# KiCad board DCTransistor_Bidirectional.kicad_pcb
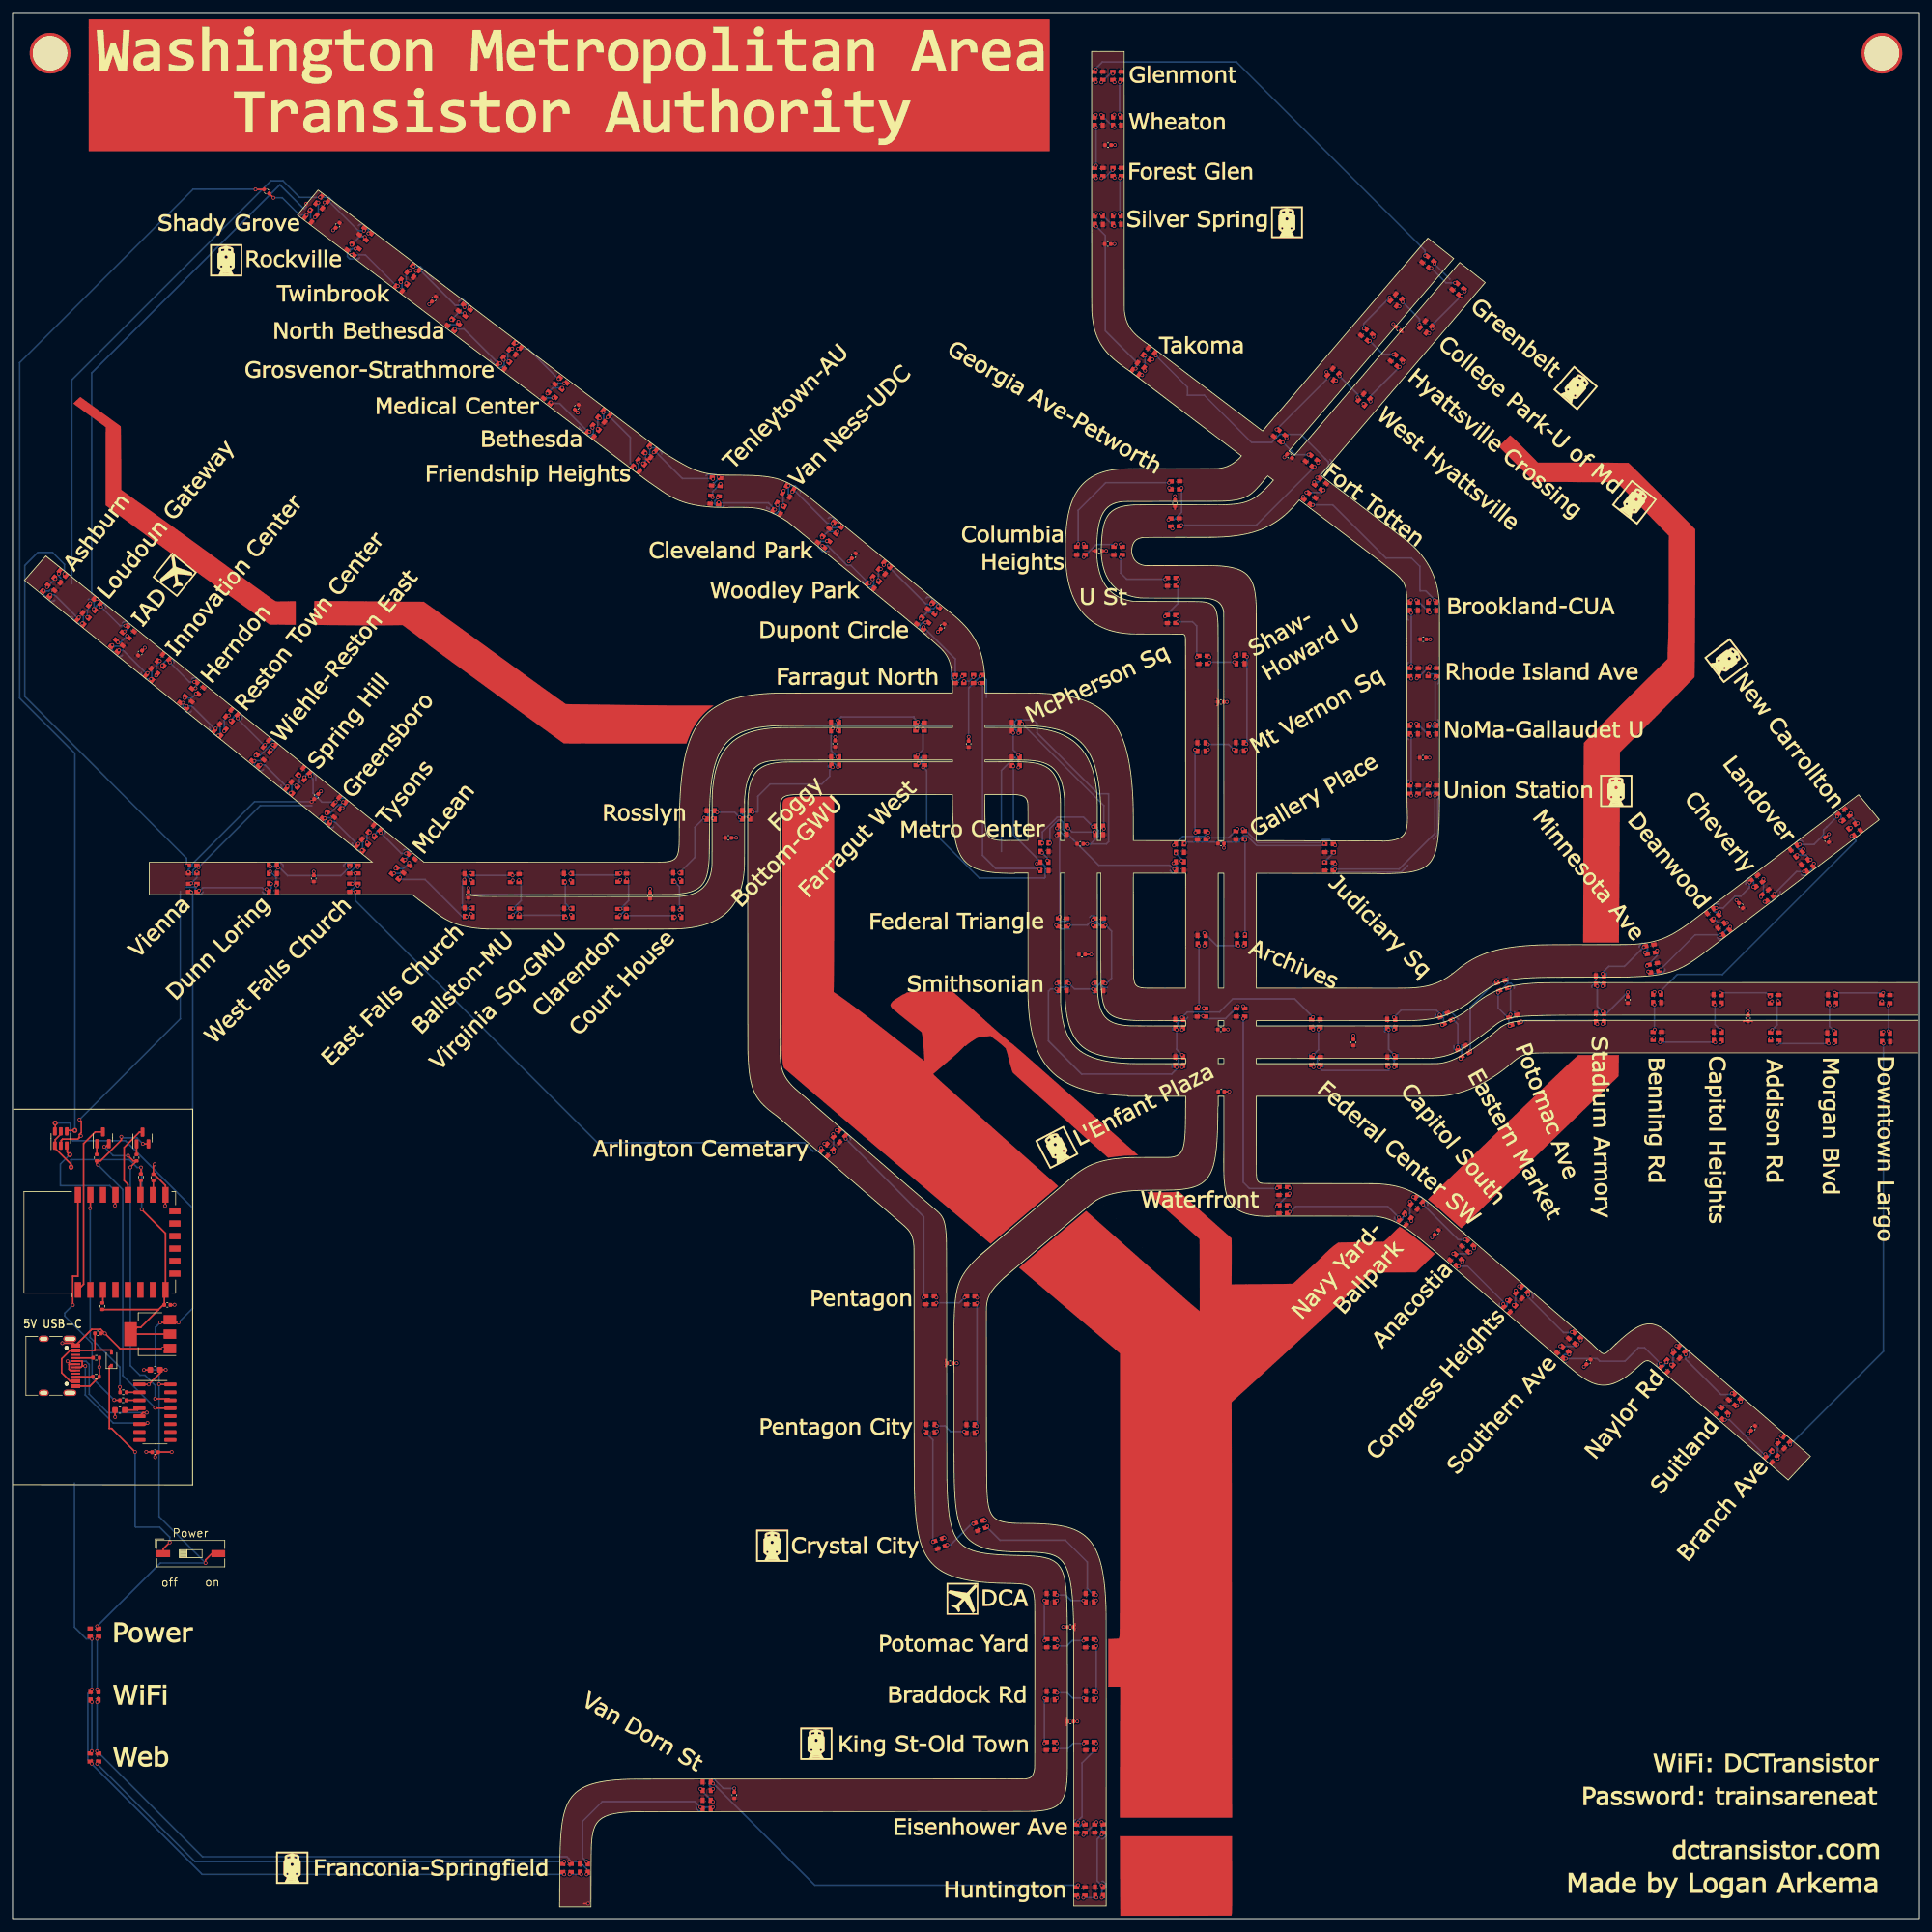
[diagram p0: board, top side]
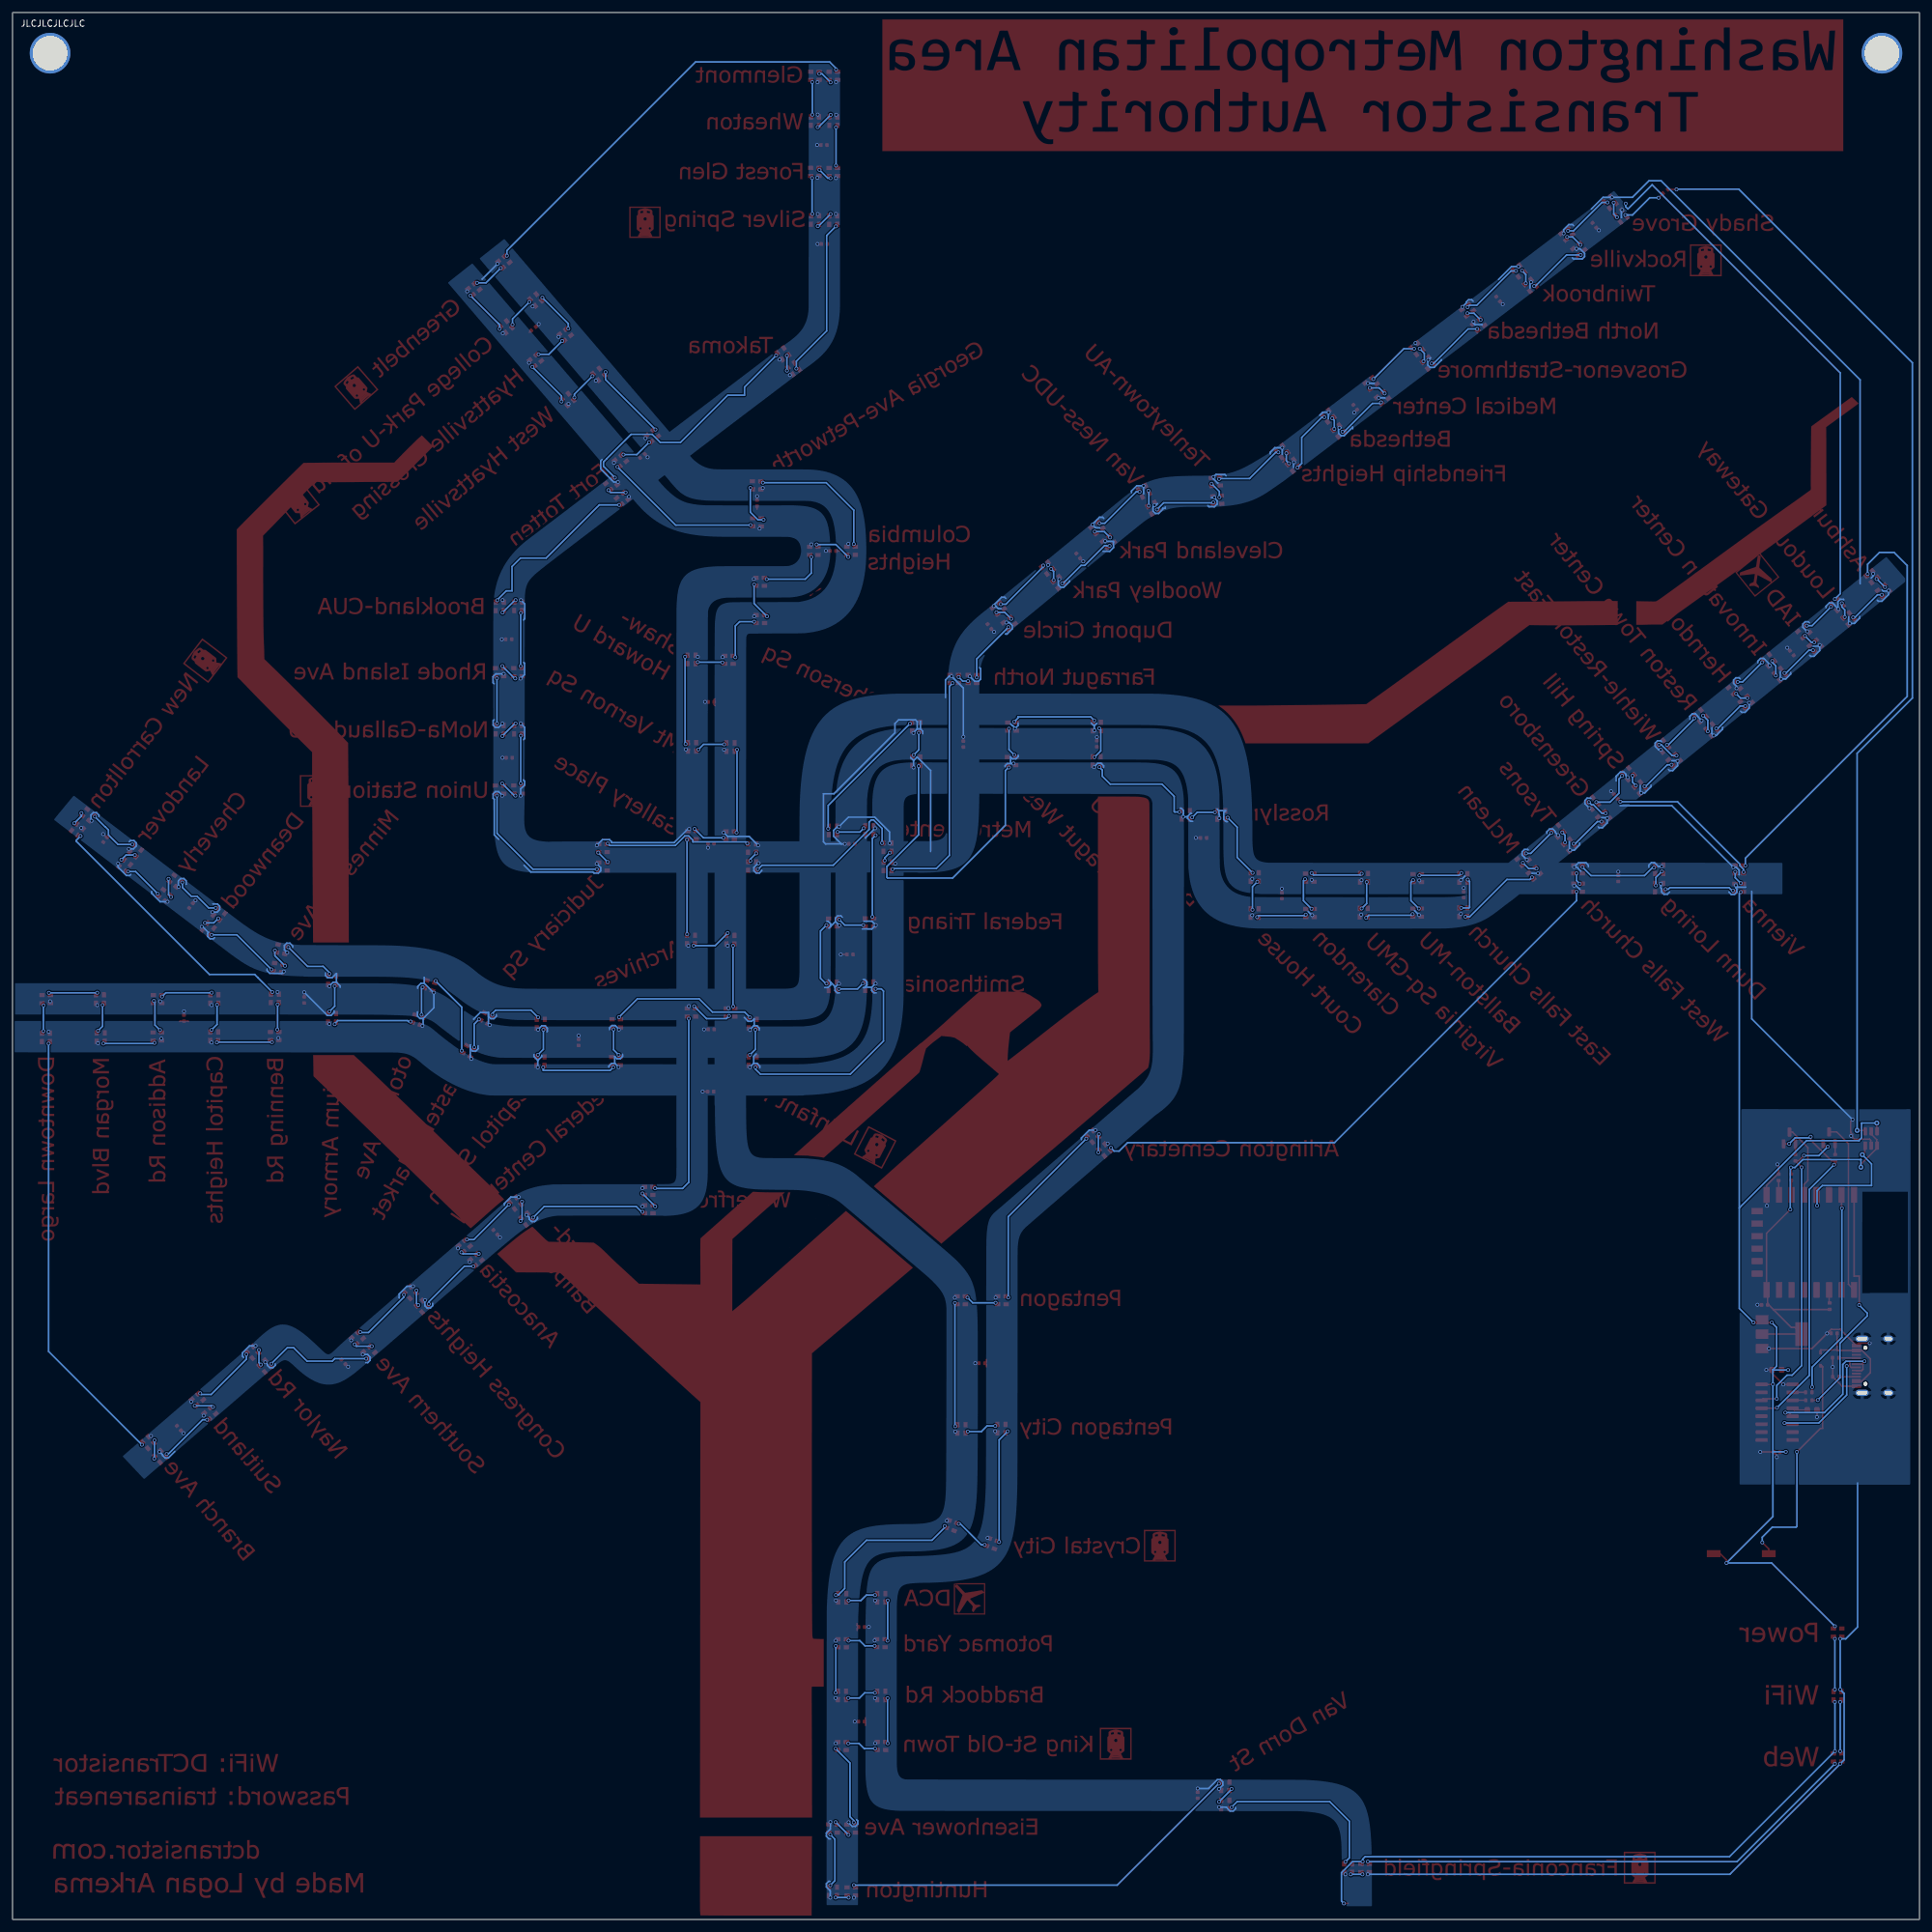
[diagram p1: board, bottom side, seen from below]

Outline 304.8 x 304.8 mm; copper layers: Top, Bottom. Coordinates in mm from the lower left corner of the outline.
Outline path: rectangle 0,304.8 304.8,0
Stack: Top 0.035mm / dielectric 1.51mm FR4 er 4.5 / Bottom 0.035mm

## Placement (name value [footprint] x y rotation side)
C0  100nf  [C_0603_1608Metric]  22.8 87.86 0 top
C1  10uF  [C_0402_1005Metric]  13.65 93.69 0 top
C2  100nf  [C_0603_1608Metric]  17.16 81.43 180 top
C3  10uF  [C_0402_1005Metric]  24.75 98.23 0 top
C4  10uF  [C_0402_1005Metric]  22.79 74.7 180 top
C5  10uF  [C_0402_1005Metric]  51.97 270.79 232 top
C6  10uF  [C_0402_1005Metric]  148.65 206.67 232 top
C7  10uF  [C_0402_1005Metric]  90.18 241.71 232 top
C8  10uF  [C_0402_1005Metric]  114.42 172.88 0 top
C9  10uF  [C_0402_1005Metric]  193.2 132.32 0 top
C10  10uF  [C_0402_1005Metric]  169.09 46.75 180 top
C11  10uF  [C_0402_1005Metric]  185.8 226.38 90 top
C12  10uF  [C_0402_1005Metric]  134.46 217.96 232 top
C13  10uF  [C_0402_1005Metric]  258.18 146.98 90 top
C14  10uF  [C_0402_1005Metric]  67.35 259 232 top
C15  10uF  [C_0402_1005Metric]  48.55 179.5 51 top
C16  10uF  [C_0402_1005Metric]  214.32 140.18 90 top
C17  10uF  [C_0402_1005Metric]  193.13 194.6 0 top
C18  10uF  [C_0402_1005Metric]  170.65 171.92 0 top
C19  10uF  [C_0402_1005Metric]  276.26 162.05 128 top
C20  10uF  [C_0402_1005Metric]  193.13 142.27 0 top
C21  10uF  [C_0402_1005Metric]  277.4 144.07 90 top
C22  10uF  [C_0402_1005Metric]  173.66 218.74 0 top
C23  10uF  [C_0402_1005Metric]  115.37 19.86 90 top
C24  10uF  [C_0402_1005Metric]  227.62 109.83 229 top
C25  10uF  [C_0402_1005Metric]  289.99 172.58 128 top
C26  10uF  [C_0402_1005Metric]  278.21 78.54 229 top
C27  10uF  [C_0402_1005Metric]  72.85 163.79 90 top
C28  10uF  [C_0402_1005Metric]  225.49 204.62 0 top
C29  10uF  [C_0402_1005Metric]  101.91 163.64 90 top
C30  10uF  [C_0402_1005Metric]  20.4 202.42 51 top
C31  10uF  [C_0402_1005Metric]  251.91 89.13 229 top
C32  10uF  [C_0402_1005Metric]  131.48 187.92 90 top
C33  10uF  [C_0402_1005Metric]  169.11 31.63 0 top
C34  10uF  [C_0402_1005Metric]  193.16 171.98 0 top
C35  10uF  [C_0402_1005Metric]  149.86 88.91 0 top
C36  10uF  [C_0402_1005Metric]  152.82 187.87 90 top
C37  10uF  [C_0402_1005Metric]  175.05 267.8 0 top
C38  10uF  [C_0402_1005Metric]  225.41 185.69 0 top
C39  10uF  [C_0402_1005Metric]  175.1 283.62 0 top
C40  10uF  [C_0402_1005Metric]  221.53 254.26 141 top
C41  10uF  [C_0402_1005Metric]  48.15 166.39 90 top
C42  10uF  [C_0402_1005Metric]  204.11 233.93 141 top
C43  10uF  [C_0402_1005Metric]  170.94 154.24 0 top
D0  SOD-323  [D_SOD-323]  15.82 89.56 90 top
D2  WS2812B  [LED_WS2812B_2.0x2.0mm-nosilk#2]  47.69 272.24 52 top
D3  WS2812B  [LED_WS2812B_2.0x2.0mm-nosilk#2]  49.44 274.43 52 top
D4  WS2812B  [LED_WS2812B_2.0x2.0mm-nosilk#2]  56.36 269.39 322 top
D5  WS2812B  [LED_WS2812B_2.0x2.0mm-nosilk#2]  54.43 266.95 322 top
D6  WS2812B  [LED_WS2812B_2.0x2.0mm-nosilk#2]  62.18 261.19 52 top
D7  WS2812B  [LED_WS2812B_2.0x2.0mm-nosilk#2]  64.01 263.46 52 top
D8  WS2812B  [LED_WS2812B_2.0x2.0mm-nosilk#2]  72.23 257.22 322 top
D9  WS2812B  [LED_WS2812B_2.0x2.0mm-nosilk#2]  70.45 254.89 322 top
D10  WS2812B  [LED_WS2812B_2.0x2.0mm-nosilk#2]  78.52 248.76 52 top
D11  WS2812B  [LED_WS2812B_2.0x2.0mm-nosilk#2]  80.3 251.06 52 top
D12  WS2812B  [LED_WS2812B_2.0x2.0mm-nosilk#2]  87.64 245.51 322 top
D13  WS2812B  [LED_WS2812B_2.0x2.0mm-nosilk#2]  85.82 243.22 322 top
D14  WS2812B  [LED_WS2812B_2.0x2.0mm-nosilk#2]  92.82 237.91 52 top
D15  WS2812B  [LED_WS2812B_2.0x2.0mm-nosilk#2]  94.51 240.29 52 top
D16  WS2812B  [LED_WS2812B_2.0x2.0mm-nosilk#2]  100.09 232.41 52 top
D17  WS2812B  [LED_WS2812B_2.0x2.0mm-nosilk#2]  101.89 234.65 52 top
D18  WS2812B  [LED_WS2812B_2.0x2.0mm-nosilk]  112.47 229.8 356 top
D19  WS2812B  [LED_WS2812B_2.0x2.0mm-nosilk]  112.23 226.88 356 top
D20  WS2812B  [LED_WS2812B_2.0x2.0mm-nosilk]  122.47 225.56 62 top
D21  WS2812B  [LED_WS2812B_2.0x2.0mm-nosilk]  123.96 228.27 62 top
D22  WS2812B  [LED_WS2812B_2.0x2.0mm-nosilk#2]  131.47 222.44 322 top
D23  WS2812B  [LED_WS2812B_2.0x2.0mm-nosilk#2]  129.64 220.19 322 top
D24  WS2812B  [LED_WS2812B_2.0x2.0mm-nosilk#2]  137.59 213.69 52 top
D25  WS2812B  [LED_WS2812B_2.0x2.0mm-nosilk#2]  139.37 215.99 52 top
D26  WS2812B  [LED_WS2812B_2.0x2.0mm-nosilk#2]  147.22 209.56 322 top
D27  WS2812B  [LED_WS2812B_2.0x2.0mm-nosilk#2]  145.48 207.19 322 top
D28  WS2812B  [LED_WS2812B_2.0x2.0mm-nosilk]  151.37 198.27 0 top
D29  WS2812B  [LED_WS2812B_2.0x2.0mm-nosilk]  154.28 198.28 0 top
D30  WS2812B  [LED_WS2812B_2.0x2.0mm-nosilk]  164.94 168.33 90 top
D31  WS2812B  [LED_WS2812B_2.0x2.0mm-nosilk]  164.95 171.39 90 top
D32  WS2812B  [LED_WS2812B_2.0x2.0mm-nosilk]  186.59 168.38 90 top
D33  WS2812B  [LED_WS2812B_2.0x2.0mm-nosilk]  186.59 171.25 90 top
D34  WS2812B  [LED_WS2812B_2.0x2.0mm-nosilk]  210.44 171.26 0 top
D35  WS2812B  [LED_WS2812B_2.0x2.0mm-nosilk]  210.43 168.31 0 top
D36  WS2812B  [LED_WS2812B_2.0x2.0mm-nosilk]  226.96 180.59 180 top
D37  WS2812B  [LED_WS2812B_2.0x2.0mm-nosilk]  224 180.6 180 top
D38  WS2812B  [LED_WS2812B_2.0x2.0mm-nosilk]  223.98 190.18 90 top
D39  WS2812B  [LED_WS2812B_2.0x2.0mm-nosilk]  226.92 190.17 90 top
D40  WS2812B  [LED_WS2812B_2.0x2.0mm-nosilk]  226.94 199.36 180 top
D41  WS2812B  [LED_WS2812B_2.0x2.0mm-nosilk]  224.01 199.36 180 top
D42  WS2812B  [LED_WS2812B_2.0x2.0mm-nosilk]  223.97 209.89 90 top
D43  WS2812B  [LED_WS2812B_2.0x2.0mm-nosilk]  226.91 209.88 90 top
D44  WS2812B  [LED_WS2812B_2.0x2.0mm-nosilk#2]  207.3 227.1 142 top
D45  WS2812B  [LED_WS2812B_2.0x2.0mm-nosilk#2]  209.05 229.42 142 top
D46  WS2812B  [LED_WS2812B_2.0x2.0mm-nosilk]  181.65 250.25 234 top
D47  WS2812B  [LED_WS2812B_2.0x2.0mm-nosilk]  179.95 247.88 234 top
D48  WS2812B  [LED_WS2812B_2.0x2.0mm-nosilk]  173.62 271.61 90 top
D49  WS2812B  [LED_WS2812B_2.0x2.0mm-nosilk]  176.52 271.63 90 top
D50  WS2812B  [LED_WS2812B_2.0x2.0mm-nosilk]  176.56 279.33 180 top
D51  WS2812B  [LED_WS2812B_2.0x2.0mm-nosilk]  173.61 279.31 180 top
D52  WS2812B  [LED_WS2812B_2.0x2.0mm-nosilk]  173.6 287.44 90 top
D53  WS2812B  [LED_WS2812B_2.0x2.0mm-nosilk]  176.53 287.45 90 top
D54  WS2812B  [LED_WS2812B_2.0x2.0mm-nosilk]  176.54 294.68 180 top
D55  WS2812B  [LED_WS2812B_2.0x2.0mm-nosilk]  173.6 294.68 180 top
D56  WS2812B  [LED_WS2812B_2.0x2.0mm-nosilk]  226.26 264.93 321 top
D57  WS2812B  [LED_WS2812B_2.0x2.0mm-nosilk]  231.06 260.58 321 top
D58  WS2812B  [LED_WS2812B_2.0x2.0mm-nosilk]  225.89 254.55 231 top
D59  WS2812B  [LED_WS2812B_2.0x2.0mm-nosilk]  221.15 258.85 231 top
D60  WS2812B  [LED_WS2812B_2.0x2.0mm-nosilk]  216.46 253.28 321 top
D61  WS2812B  [LED_WS2812B_2.0x2.0mm-nosilk]  221.21 249.18 321 top
D62  WS2812B  [LED_WS2812B_2.0x2.0mm-nosilk]  216.04 242.94 231 top
D63  WS2812B  [LED_WS2812B_2.0x2.0mm-nosilk]  211.08 246.96 231 top
D64  WS2812B  [LED_WS2812B_2.0x2.0mm-nosilk]  202.52 237.14 321 top
D65  WS2812B  [LED_WS2812B_2.0x2.0mm-nosilk]  207.62 233.15 321 top
D66  WS2812B  [LED_WS2812B_2.0x2.0mm-nosilk]  185.81 223.31 180 top
D67  WS2812B  [LED_WS2812B_2.0x2.0mm-nosilk]  185.86 229.23 180 top
D68  WS2812B  [LED_WS2812B_2.0x2.0mm-nosilk]  170.77 218.77 0 top
D69  WS2812B  [LED_WS2812B_2.0x2.0mm-nosilk]  176.71 218.76 0 top
D70  WS2812B  [LED_WS2812B_2.0x2.0mm-nosilk]  185.29 213.81 0 top
D71  WS2812B  [LED_WS2812B_2.0x2.0mm-nosilk]  185.26 207.86 0 top
D72  WS2812B  [LED_WS2812B_2.0x2.0mm-nosilk]  190.29 201.34 0 top
D73  WS2812B  [LED_WS2812B_2.0x2.0mm-nosilk]  196.27 201.4 90 top
D74  WS2812B  [LED_WS2812B_2.0x2.0mm-nosilk]  196.18 187.43 270 top
D75  WS2812B  [LED_WS2812B_2.0x2.0mm-nosilk]  190.04 187.4 270 top
D76  WS2812B  [LED_WS2812B_2.0x2.0mm-nosilk]  190.08 173.3 0 top
D77  WS2812B  [LED_WS2812B_2.0x2.0mm-nosilk]  196.21 173.32 0 top
D78  WS2812B  [LED_WS2812B_2.0x2.0mm-nosilk]  196.36 156.64 270 top
D79  WS2812B  [LED_WS2812B_2.0x2.0mm-nosilk]  190.06 156.61 270 top
D80  WS2812B  [LED_WS2812B_2.0x2.0mm-nosilk]  190.03 144.97 0 top
D81  WS2812B  [LED_WS2812B_2.0x2.0mm-nosilk]  196.28 144.97 0 top
D82  WS2812B  [LED_WS2812B_2.0x2.0mm-nosilk]  203.11 116.46 0 top
D83  WS2812B  [LED_WS2812B_2.0x2.0mm-nosilk]  203.1 113.54 0 top
D84  WS2812B  [LED_WS2812B_2.0x2.0mm-nosilk]  222.6 111.94 54 top
D85  WS2812B  [LED_WS2812B_2.0x2.0mm-nosilk]  224.42 114.49 54 top
D86  WS2812B  [LED_WS2812B_2.0x2.0mm-nosilk#2]  232.59 107.65 319 top
D87  WS2812B  [LED_WS2812B_2.0x2.0mm-nosilk#2]  230.71 105.42 319 top
D88  WS2812B  [LED_WS2812B_2.0x2.0mm-nosilk#2]  239.29 98 49 top
D89  WS2812B  [LED_WS2812B_2.0x2.0mm-nosilk#2]  241.22 100.21 49 top
D90  WS2812B  [LED_WS2812B_2.0x2.0mm-nosilk#2]  249.68 92.91 319 top
D91  WS2812B  [LED_WS2812B_2.0x2.0mm-nosilk#2]  247.81 90.66 319 top
D92  WS2812B  [LED_WS2812B_2.0x2.0mm-nosilk#2]  264.44 88.45 49 top
D93  WS2812B  [LED_WS2812B_2.0x2.0mm-nosilk#2]  266.41 90.66 49 top
D94  WS2812B  [LED_WS2812B_2.0x2.0mm-nosilk#2]  275.24 83.11 319 top
D95  WS2812B  [LED_WS2812B_2.0x2.0mm-nosilk#2]  273.24 80.89 319 top
D96  WS2812B  [LED_WS2812B_2.0x2.0mm-nosilk#2]  281.16 74 49 top
D97  WS2812B  [LED_WS2812B_2.0x2.0mm-nosilk#2]  283.12 76.24 49 top
D98  WS2812B  [LED_WS2812B_2.0x2.0mm-nosilk]  299.45 140.99 90 top
D99  WS2812B  [LED_WS2812B_2.0x2.0mm-nosilk]  299.4 147.1 180 top
D100  WS2812B  [LED_WS2812B_2.0x2.0mm-nosilk]  290.83 147.12 270 top
D101  WS2812B  [LED_WS2812B_2.0x2.0mm-nosilk]  290.71 141.03 270 top
D102  WS2812B  [LED_WS2812B_2.0x2.0mm-nosilk]  281.66 141.13 180 top
D103  WS2812B  [LED_WS2812B_2.0x2.0mm-nosilk]  281.62 147.1 180 top
D104  WS2812B  [LED_WS2812B_2.0x2.0mm-nosilk]  272.54 147.14 270 top
D105  WS2812B  [LED_WS2812B_2.0x2.0mm-nosilk]  272.57 141.17 270 top